# Altium PCB MMB_Controller_Board.pcbdoc (part 1 of 3)
Units mm, origin at the board's own origin, x right, y up, seen from the top; angles counter-clockwise.
Board outline 85 x 50 mm, 8 copper layers (Layer 1, Layer 2P, Layer 3, Layer 4 Pow, Layer 5, Layer 6, Layer 7P, Layer 8), stack 1.701 mm thick; 249 components, 205 nets, 935 pads, 357 vias.
Unrouted connection lines stored in the file: 68.
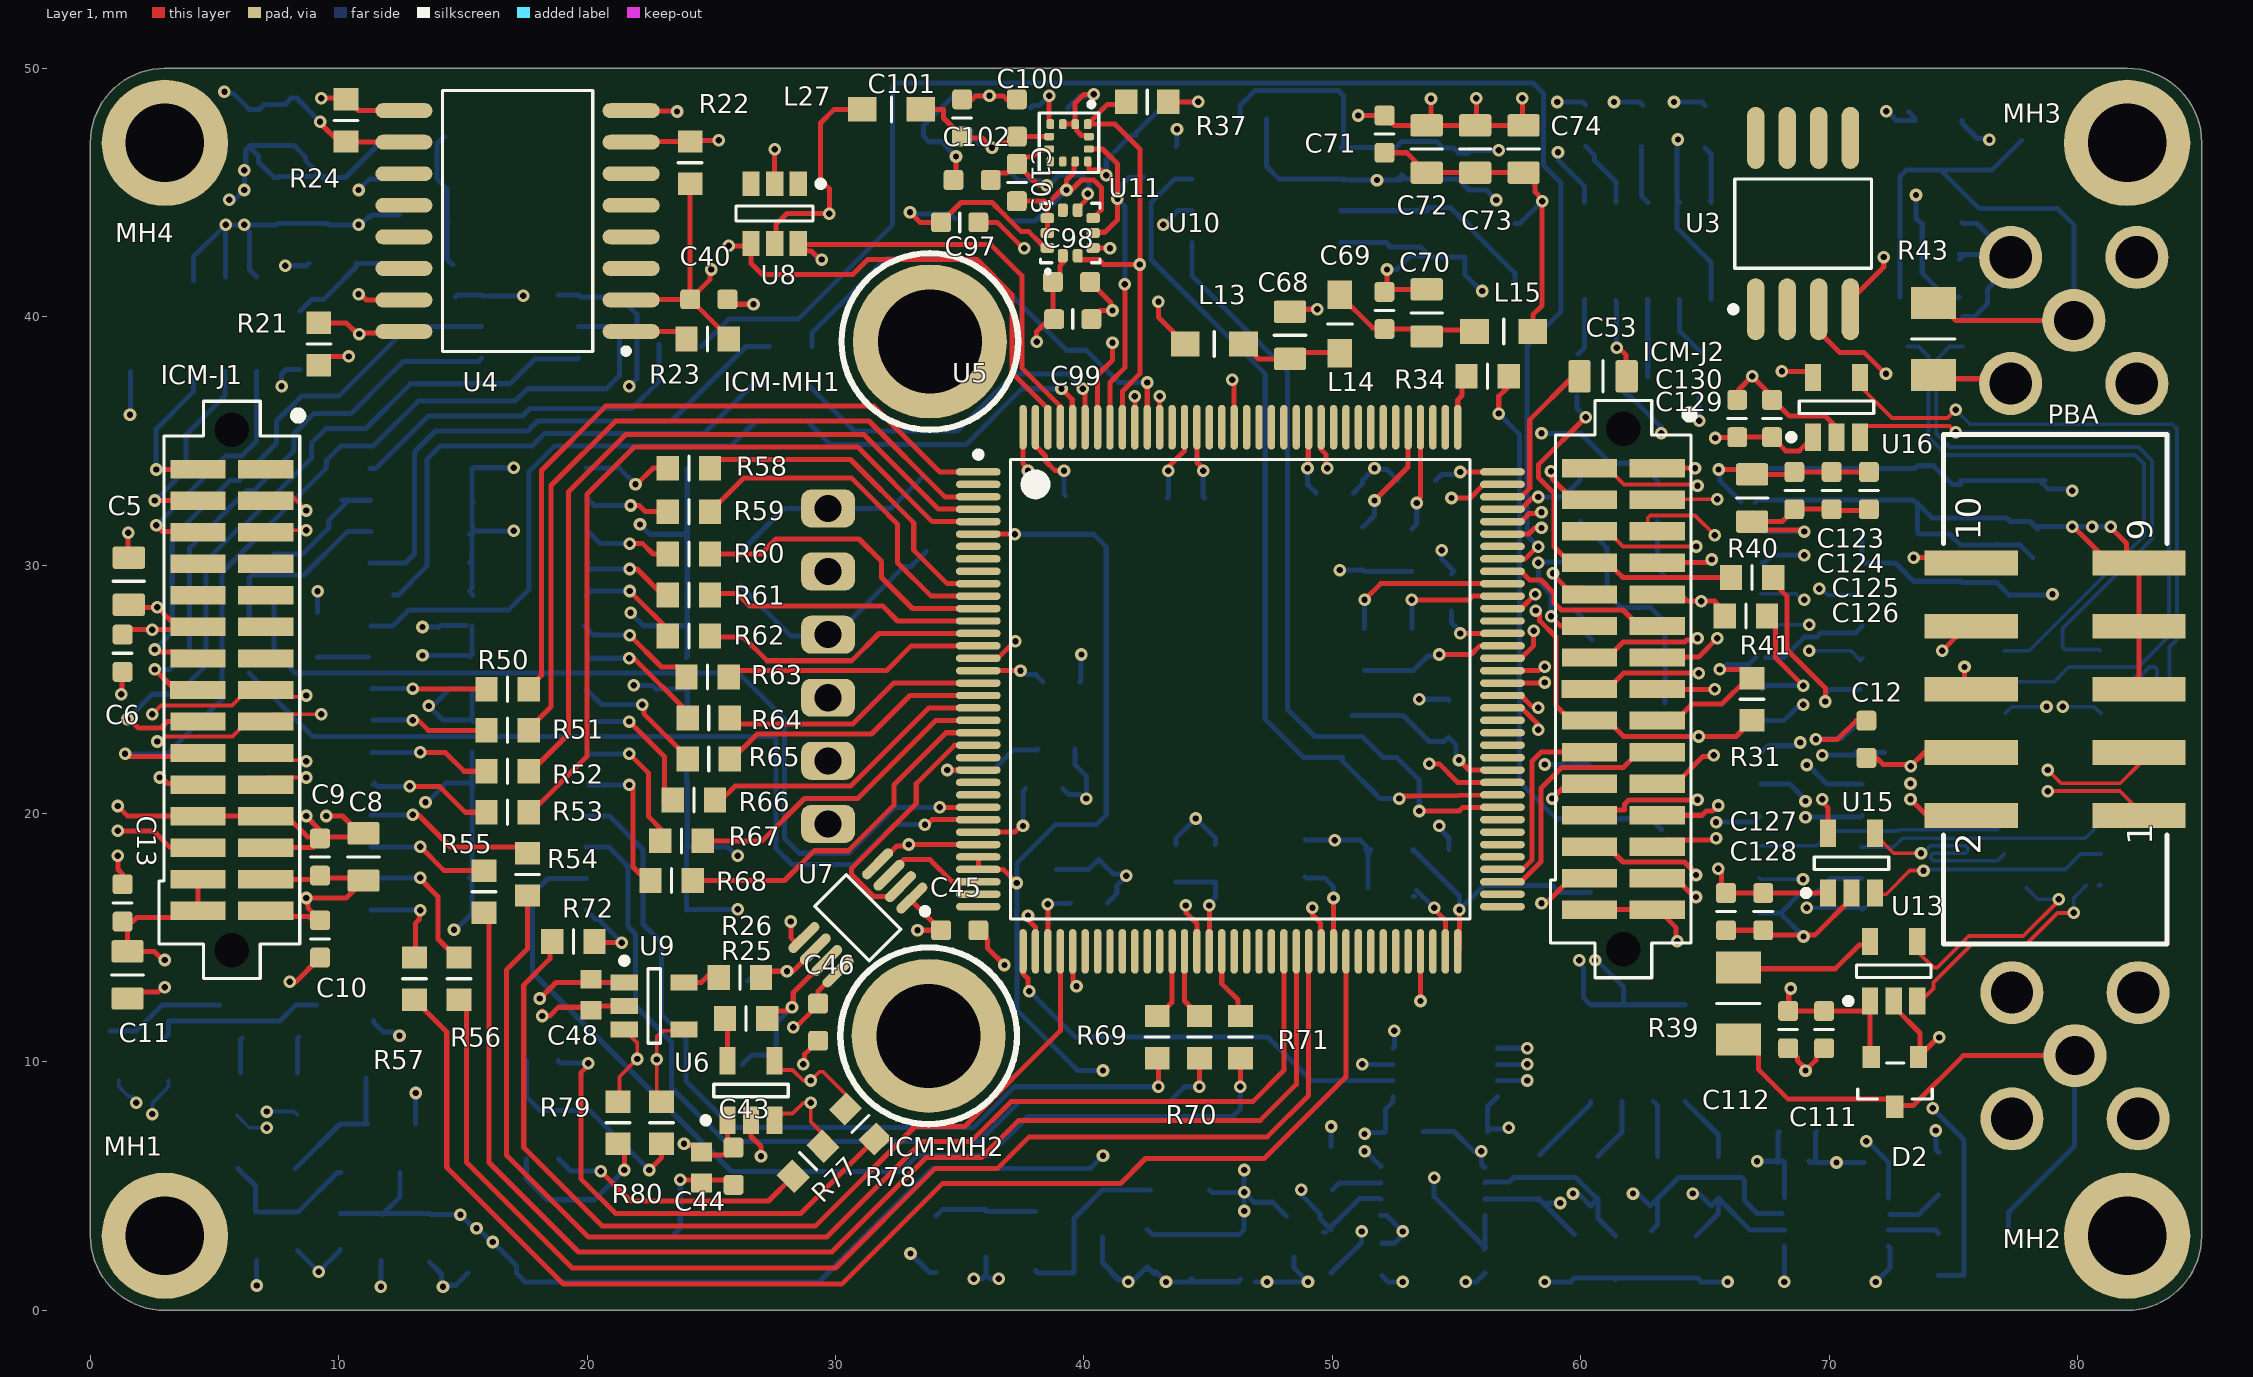
[diagram p0: Layer 1 view]
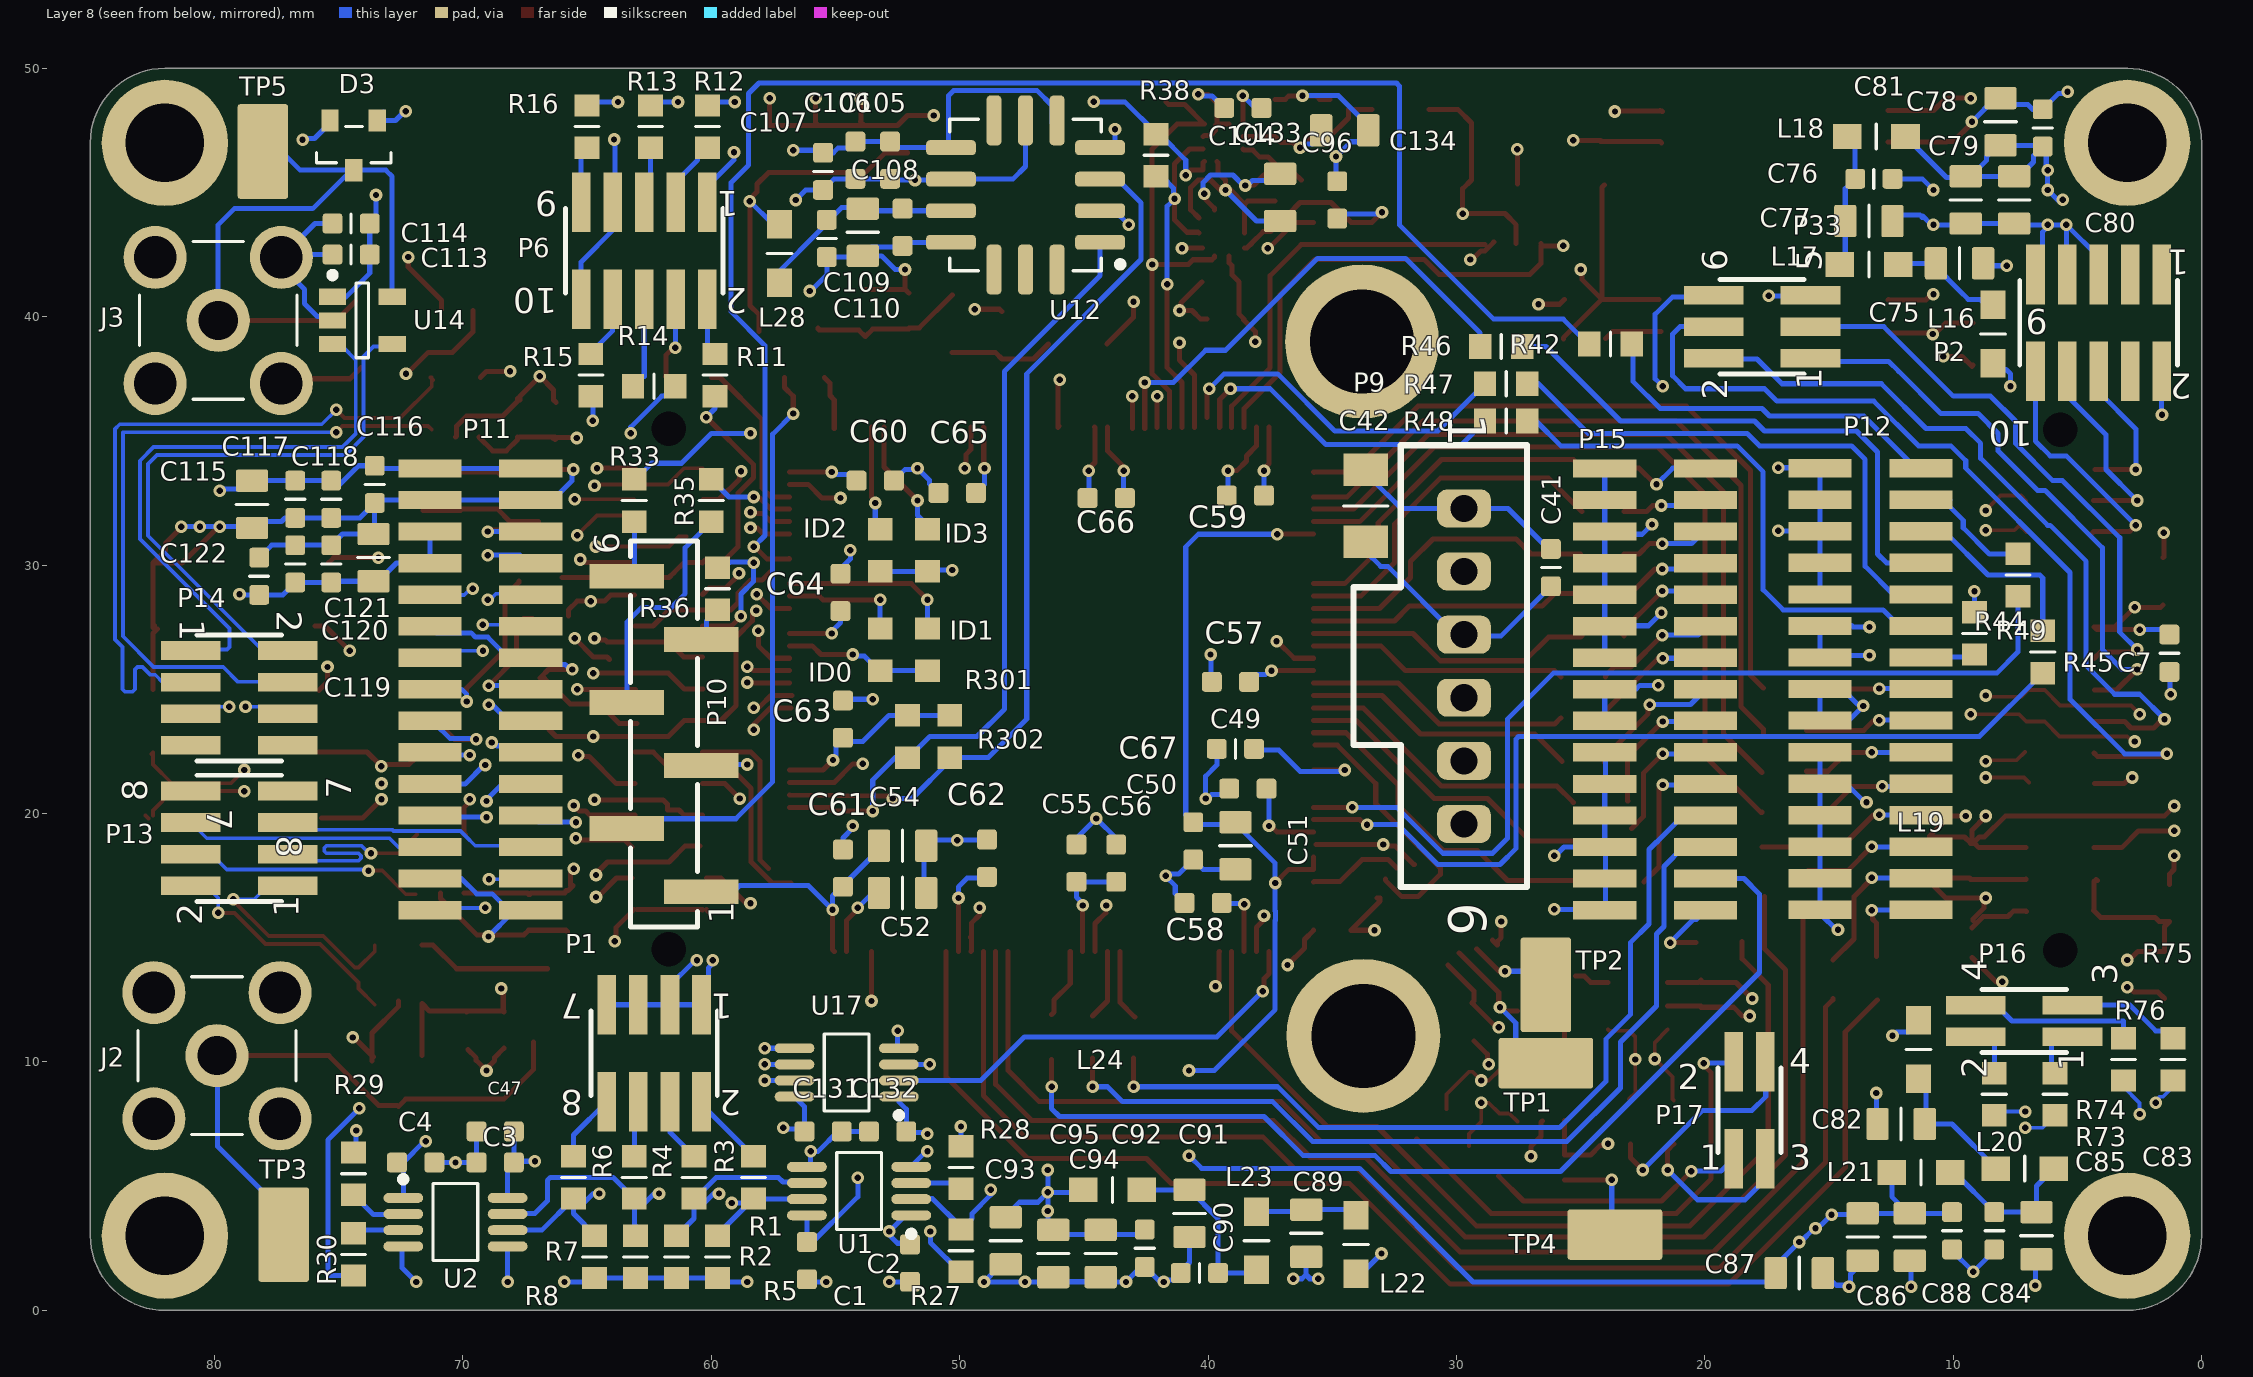
[diagram p1: Layer 8 view, seen from below]
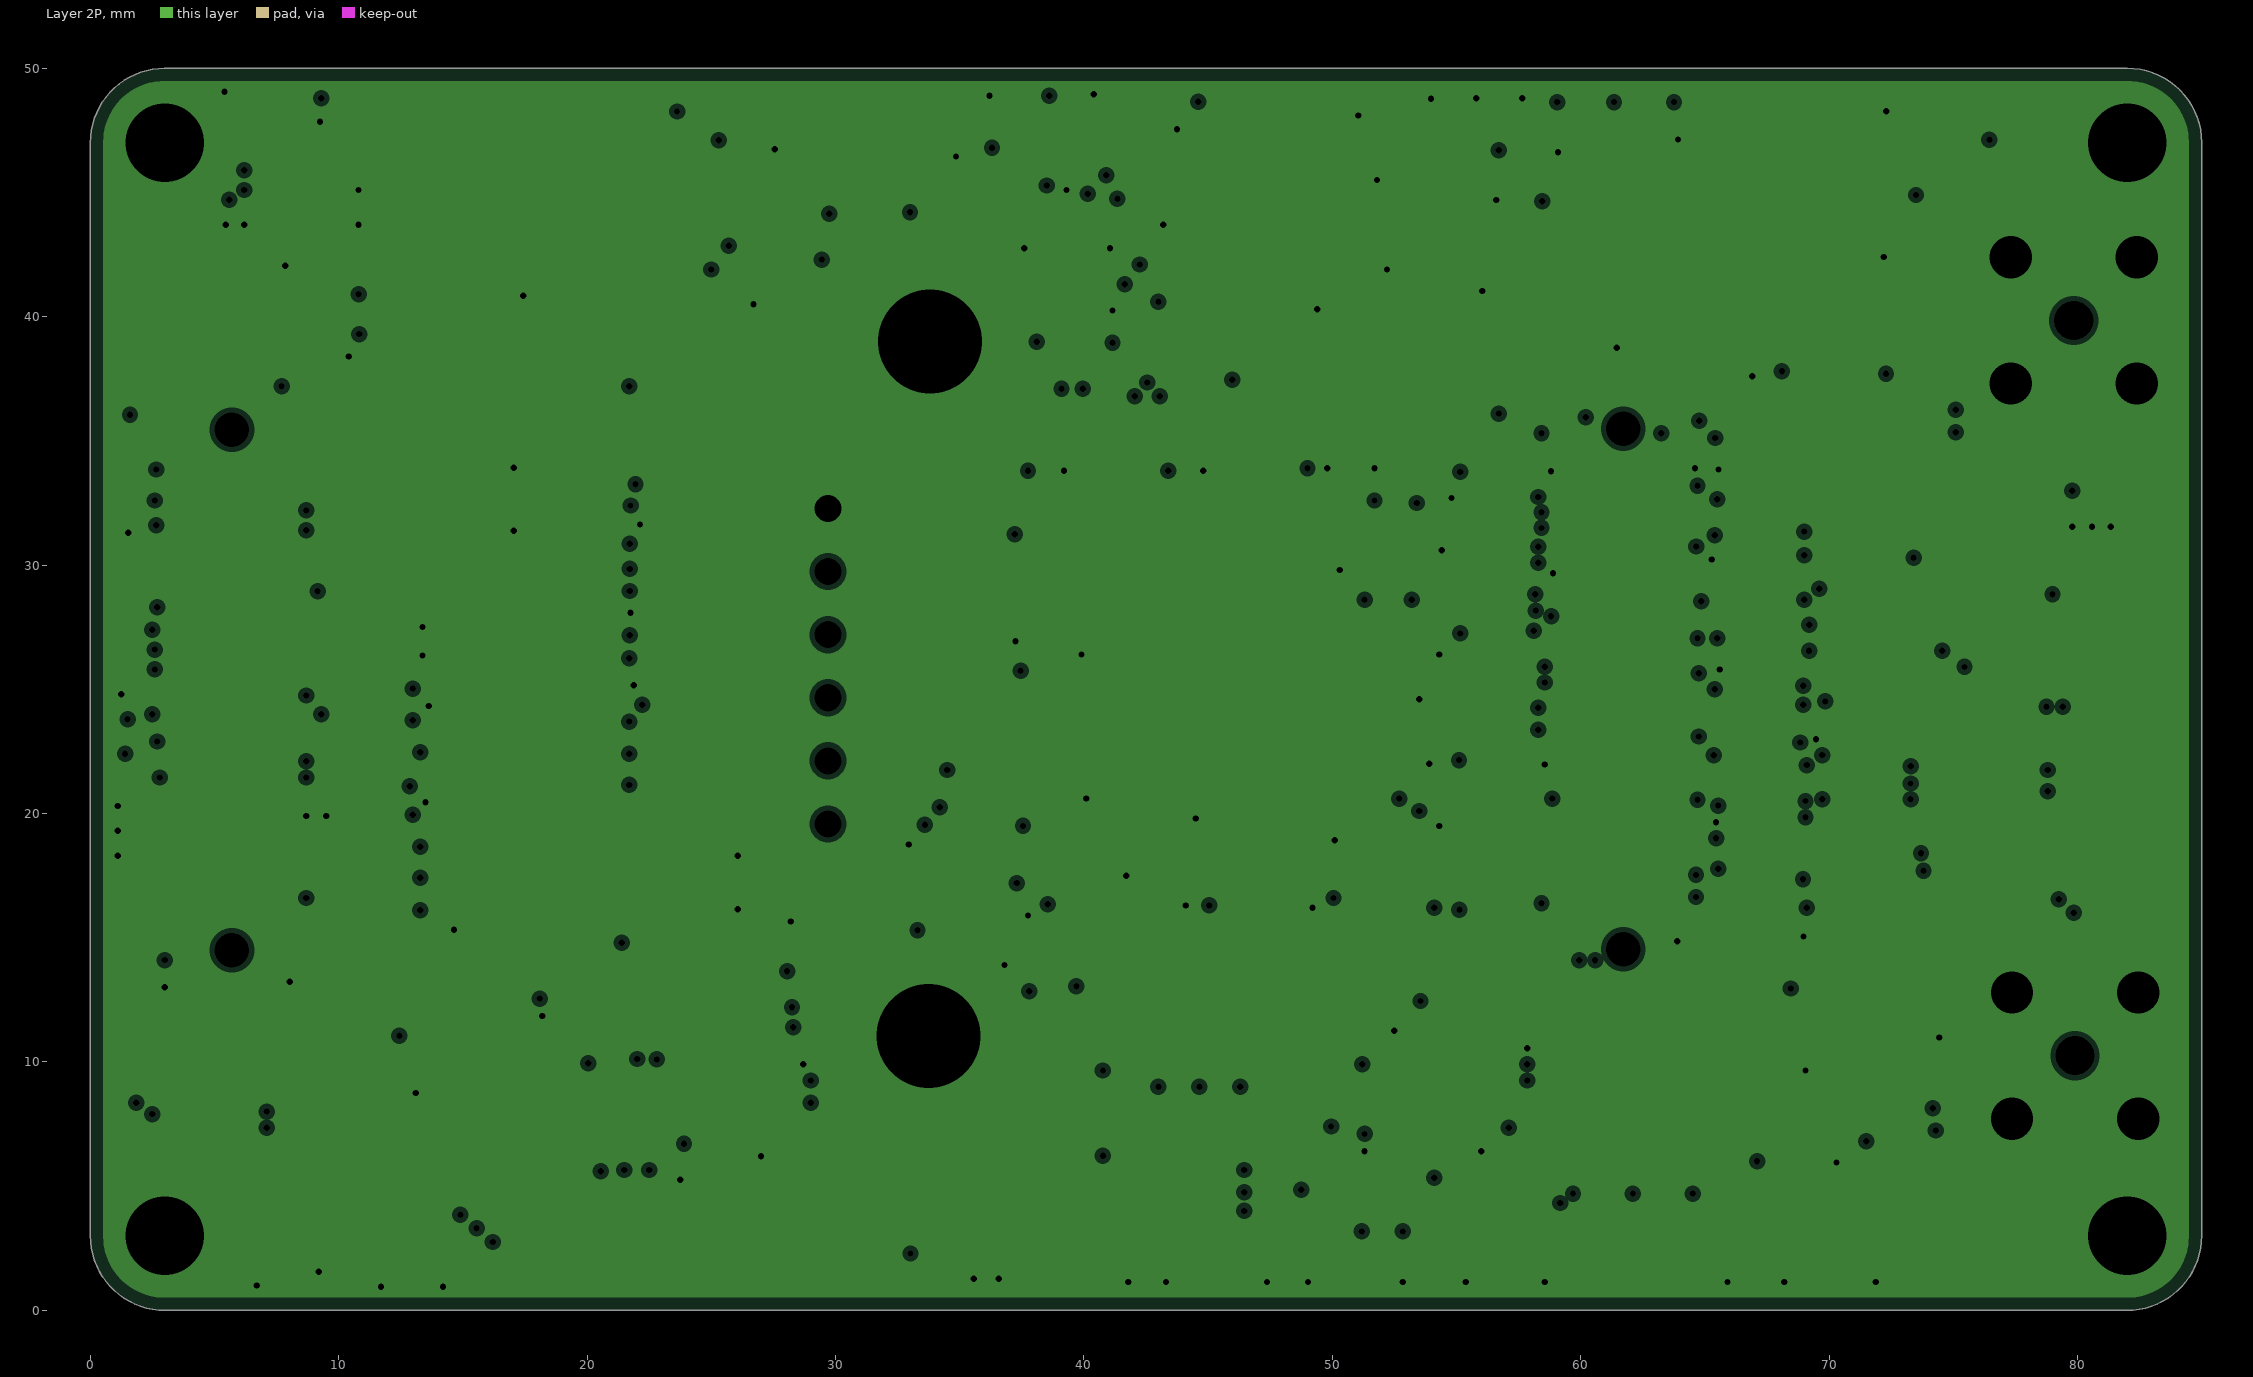
[diagram p2: Layer 2P, clearances drawn from the general rule]
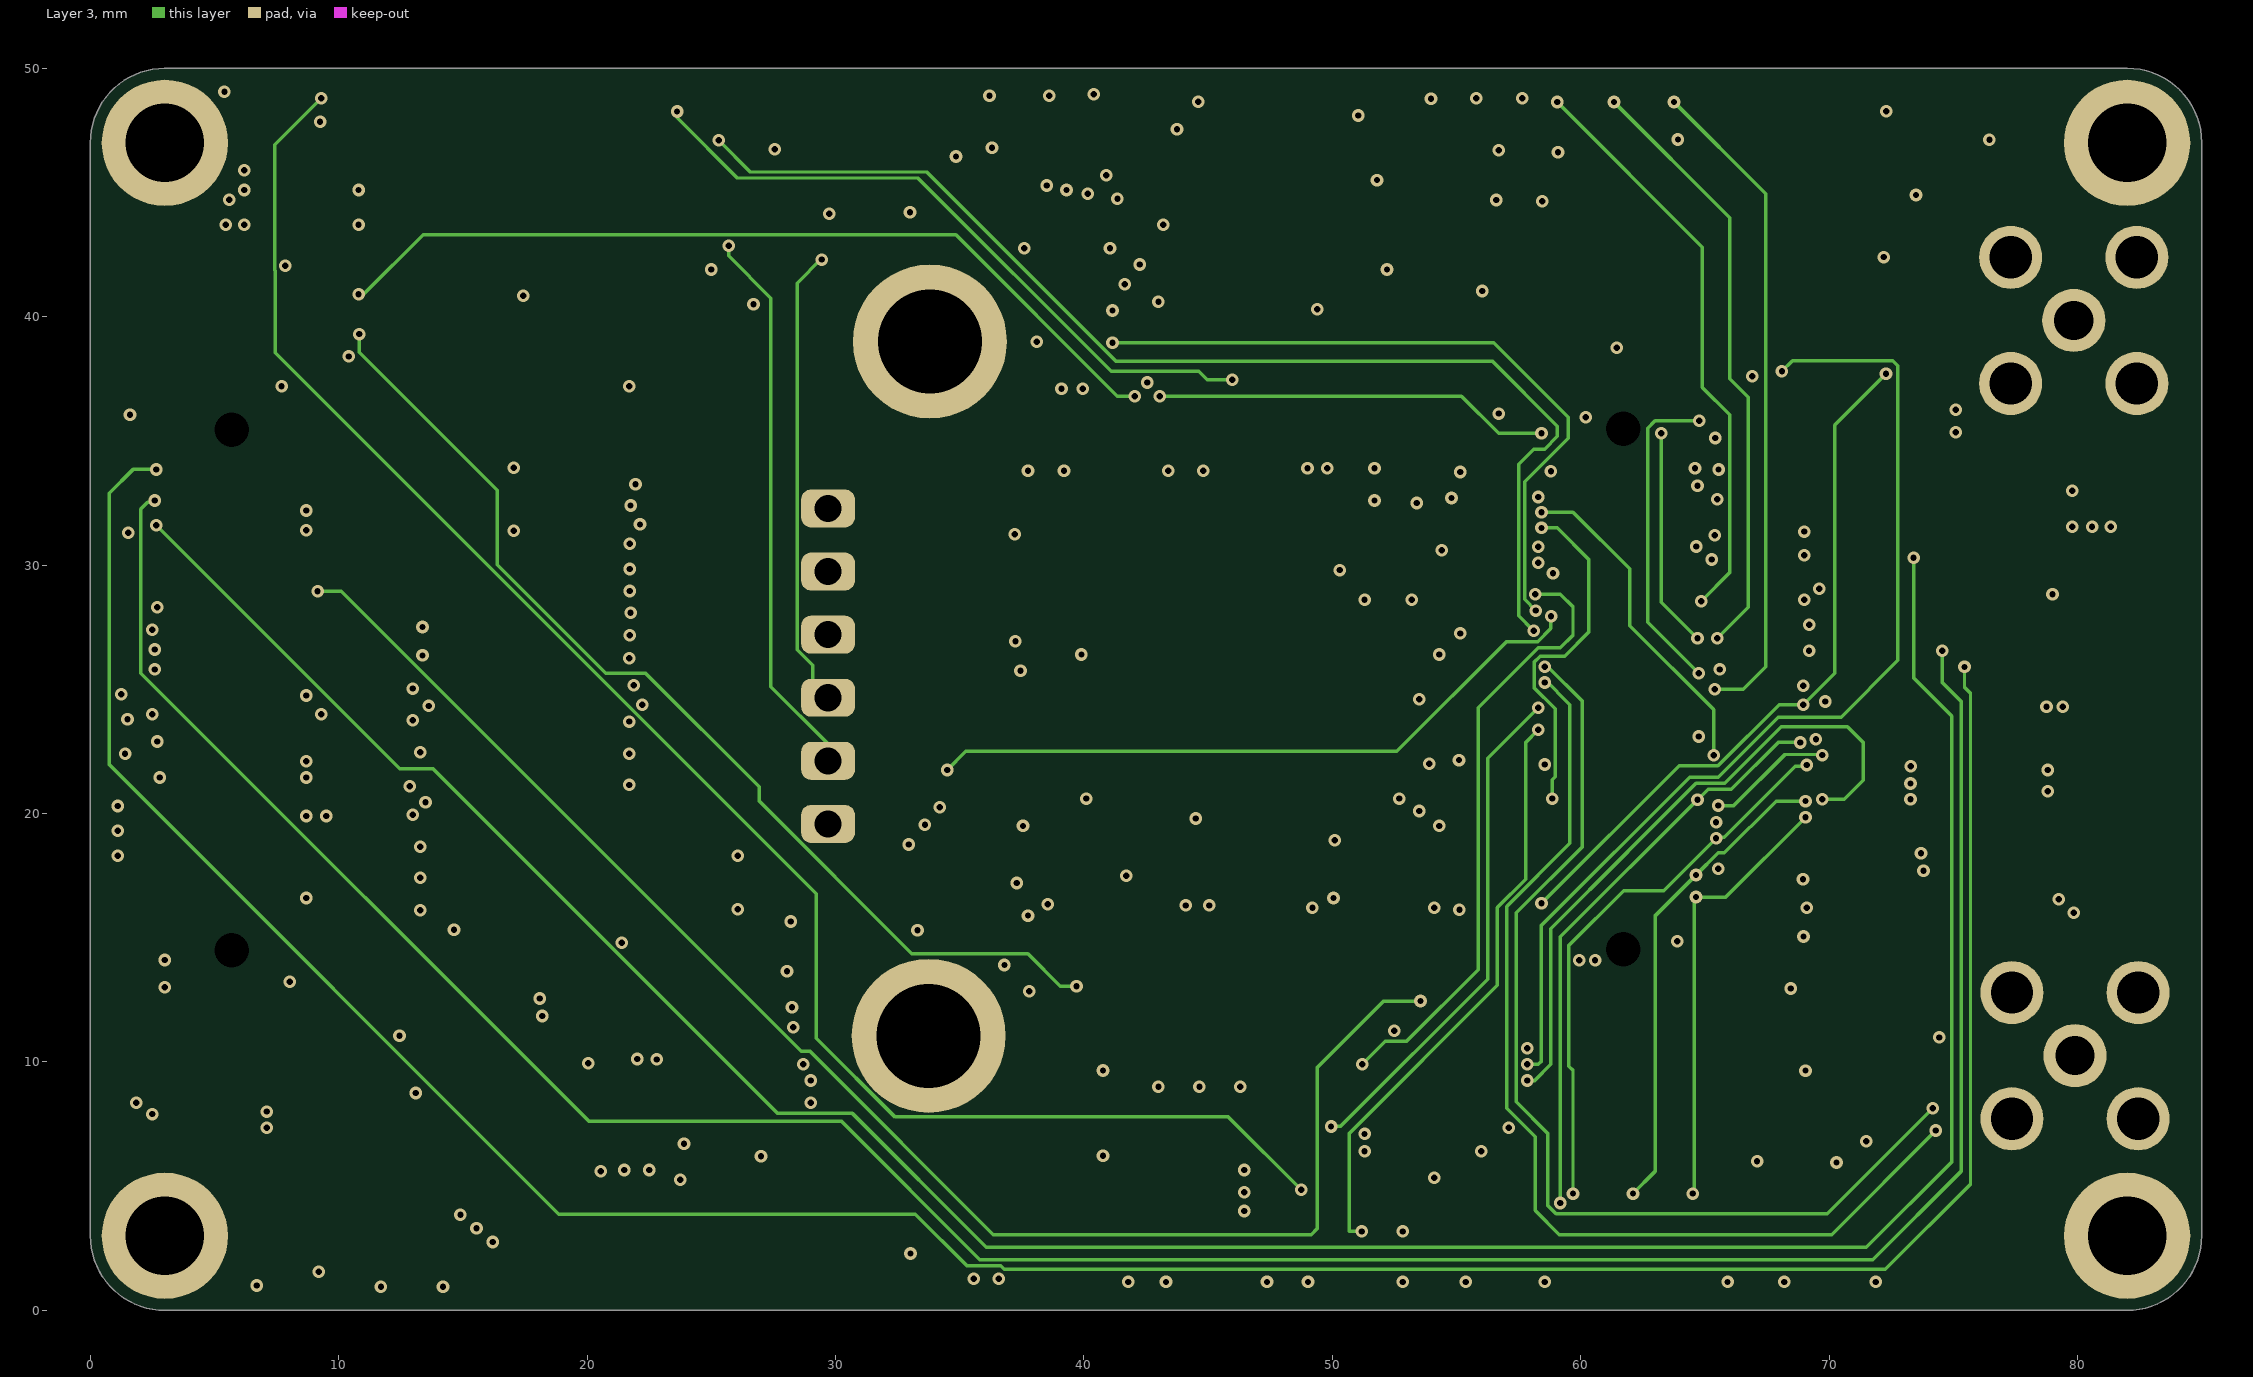
[diagram p3: Layer 3]
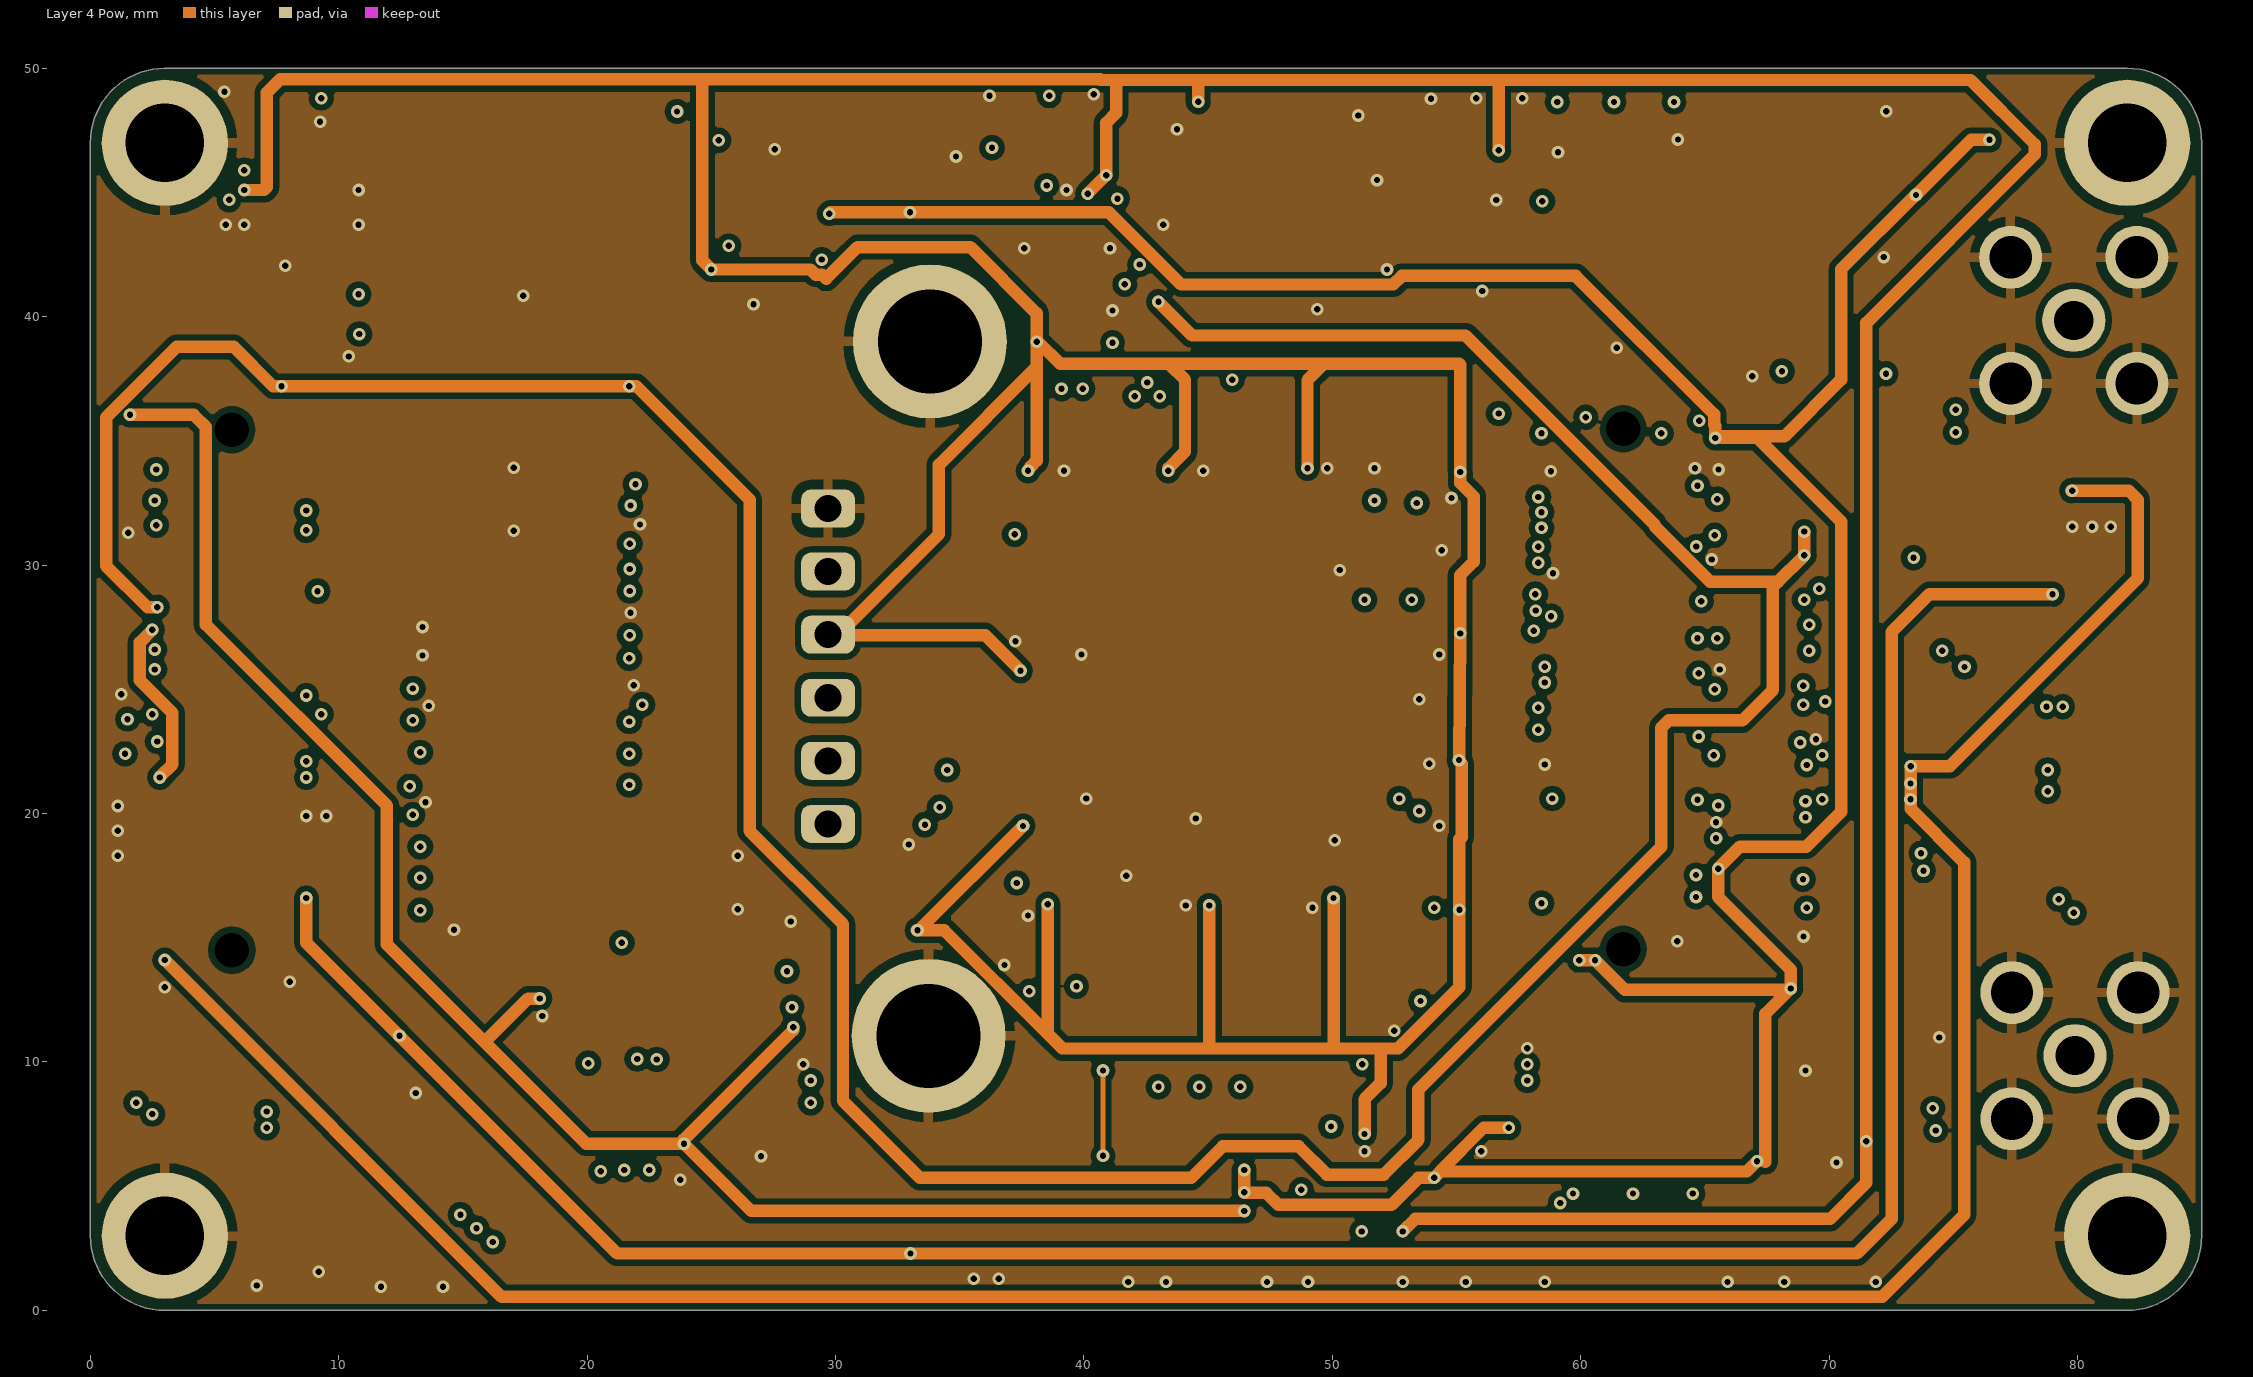
[diagram p4: Layer 4 Pow]